# Altium PCB Copy of Плата верхняя версия 7.2.PcbDoc (part 1 of 2)
Units mm, origin at the board's own origin, x right, y up, seen from the top; angles counter-clockwise.
Board outline 53 x 45 mm, 4 copper layers (Top Layer, Layer 1, Layer 2, Bottom Layer), stack 1.781 mm thick; 108 components, 170 nets, 791 pads, 474 vias.
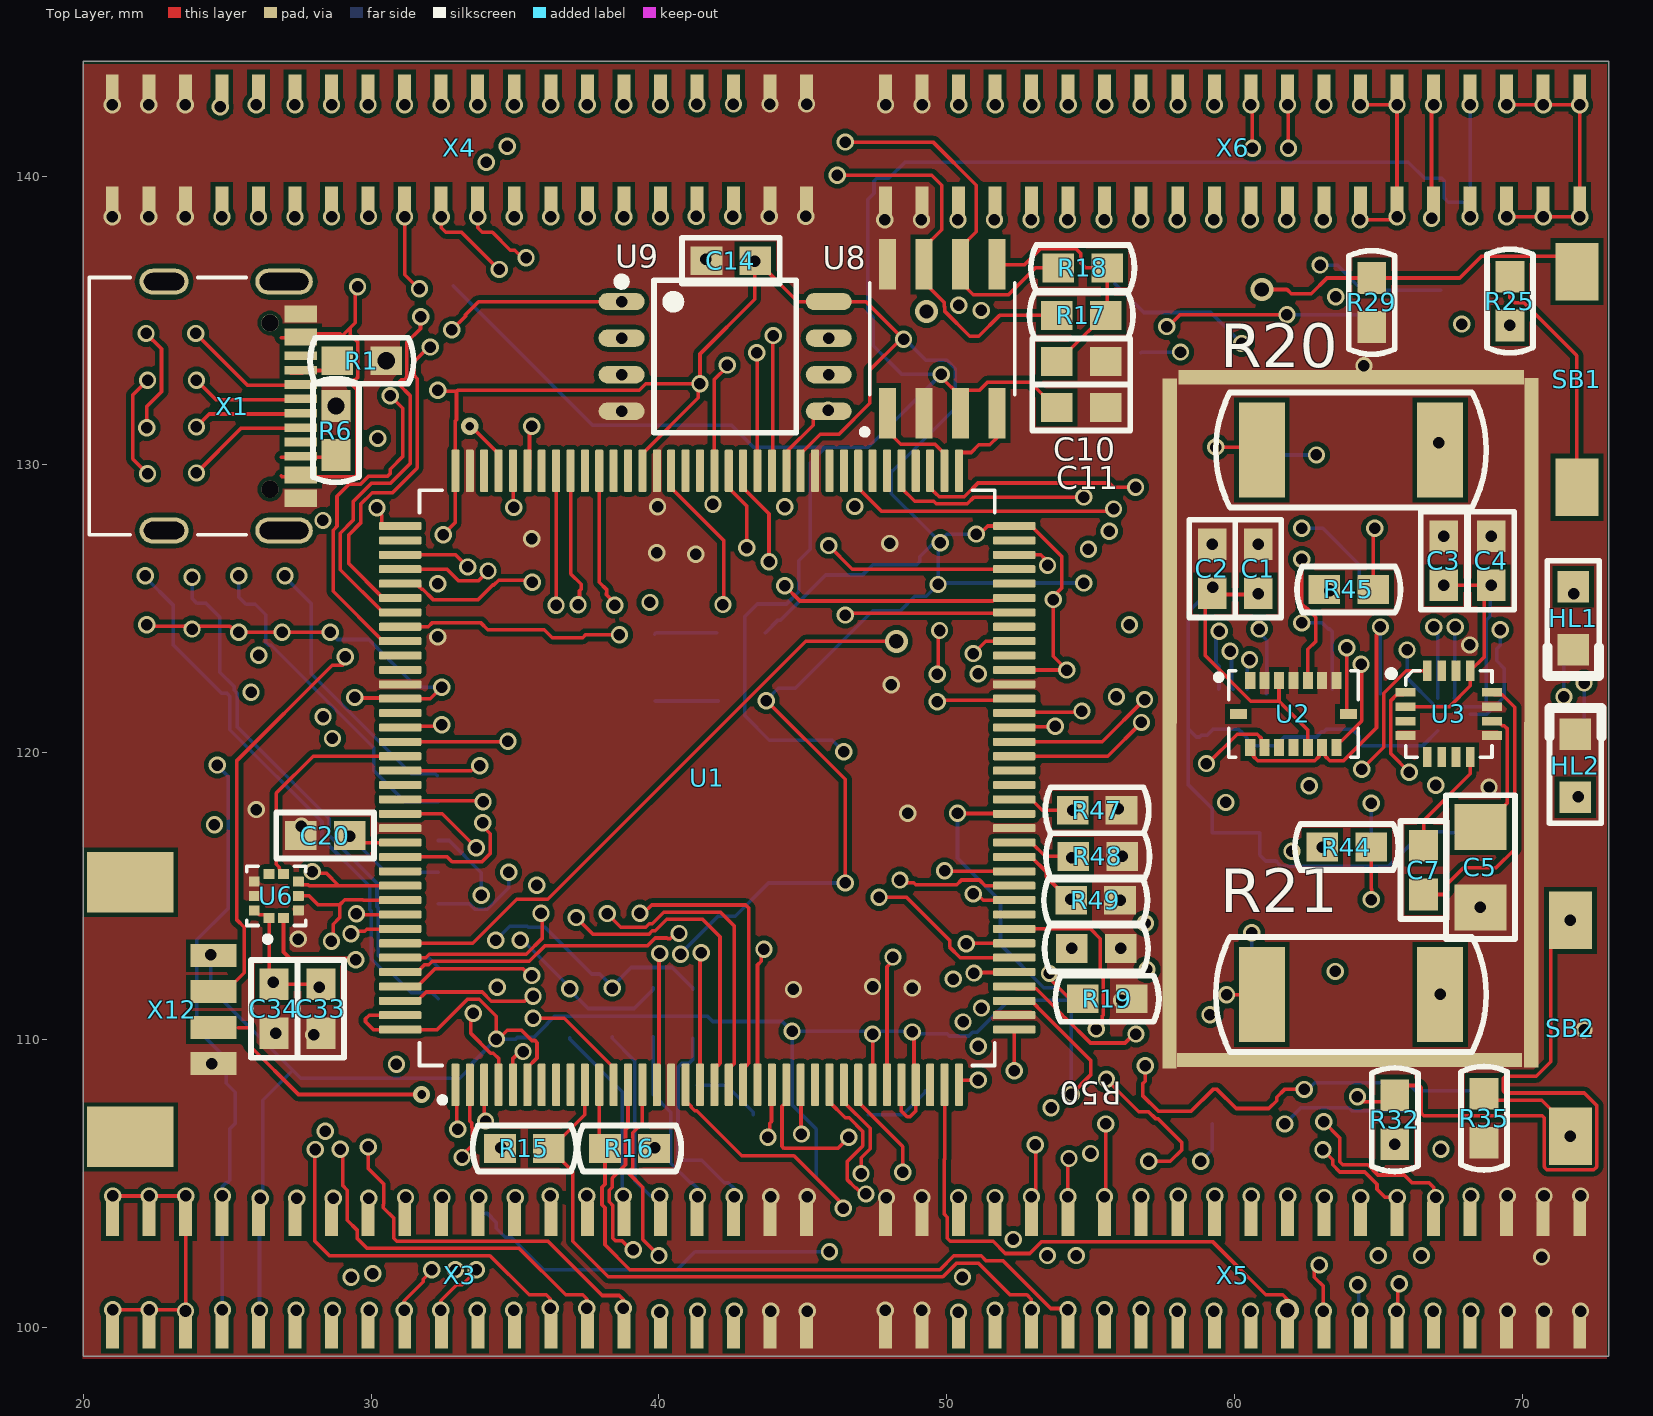
[diagram p0: Top Layer view]
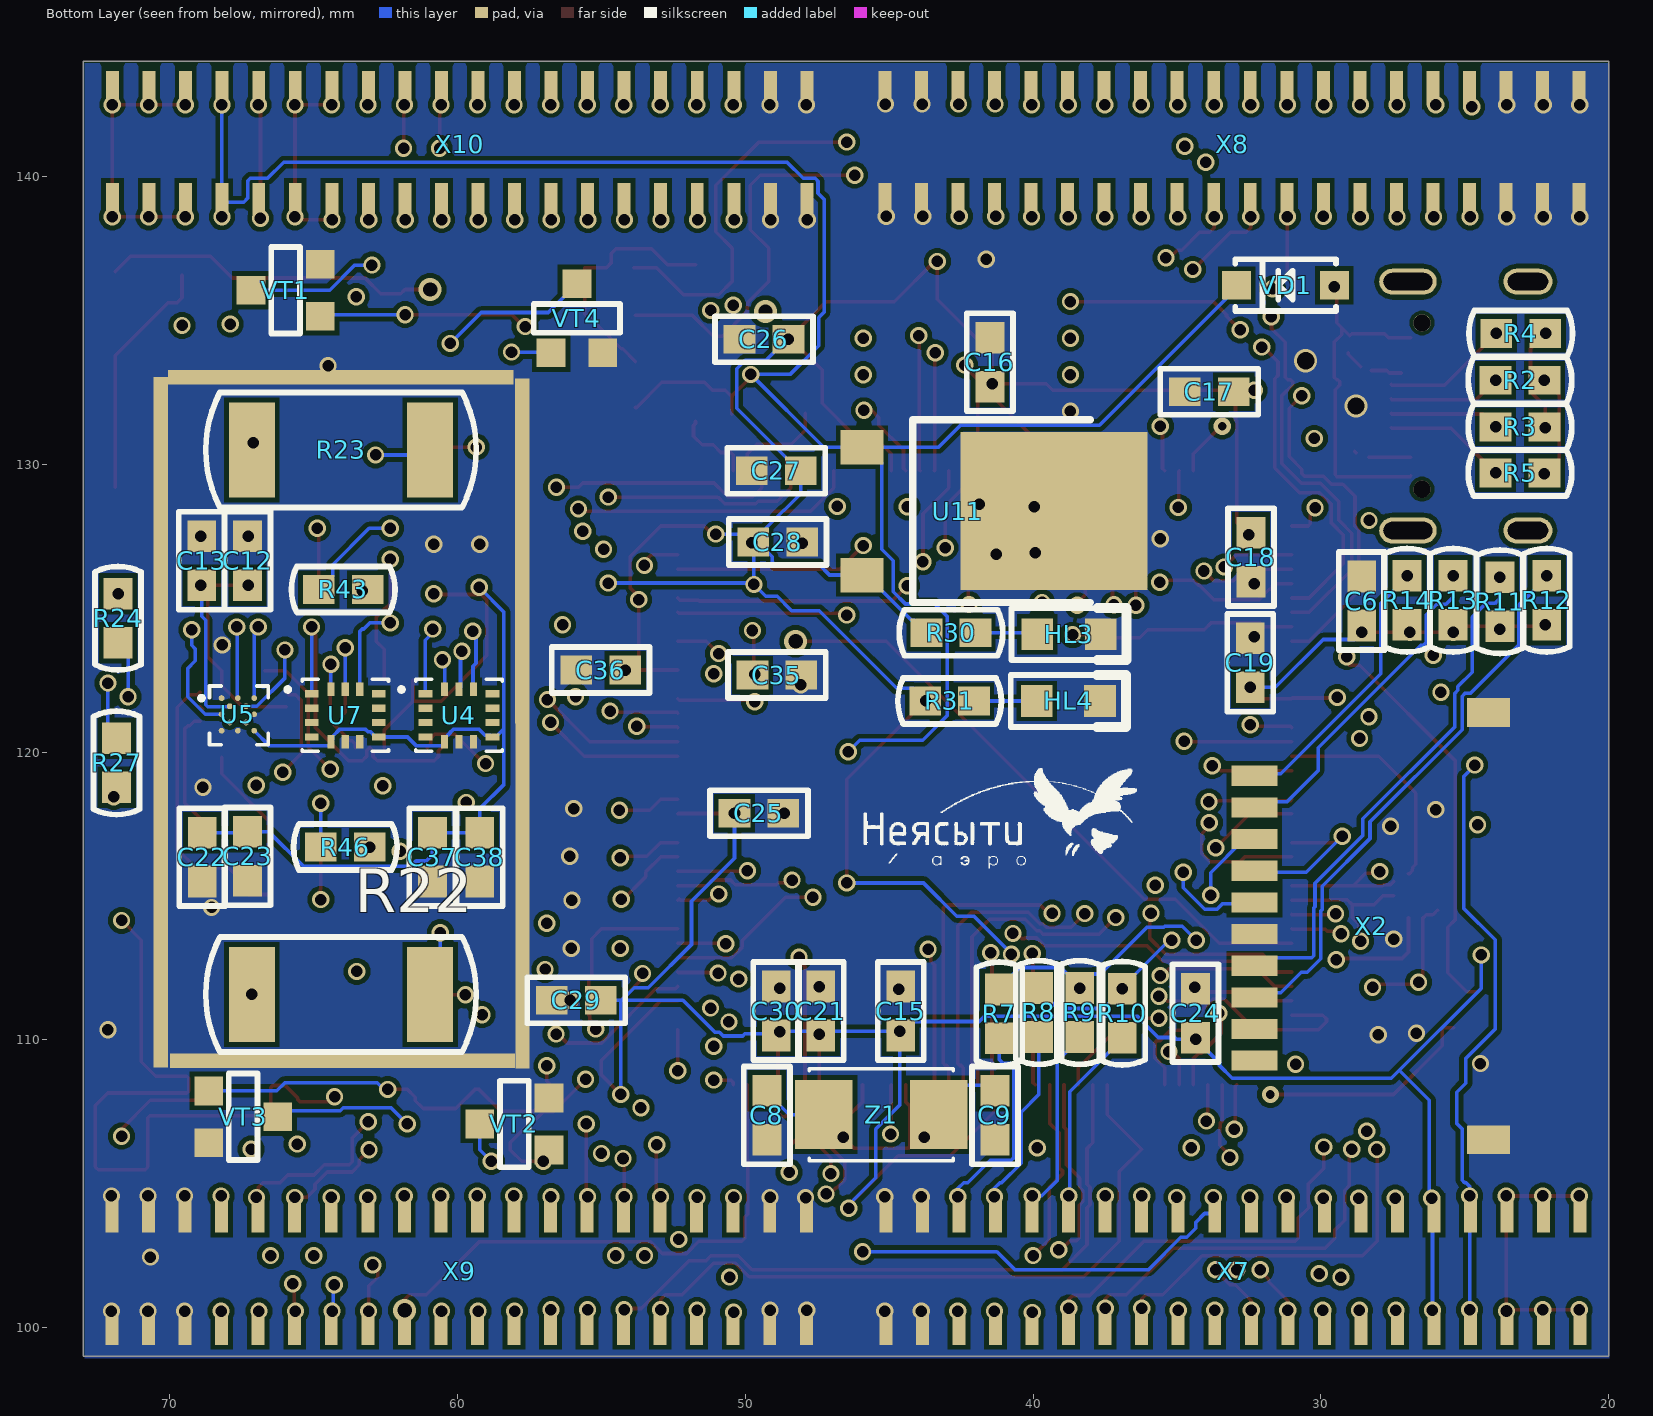
[diagram p1: Bottom Layer view, seen from below]
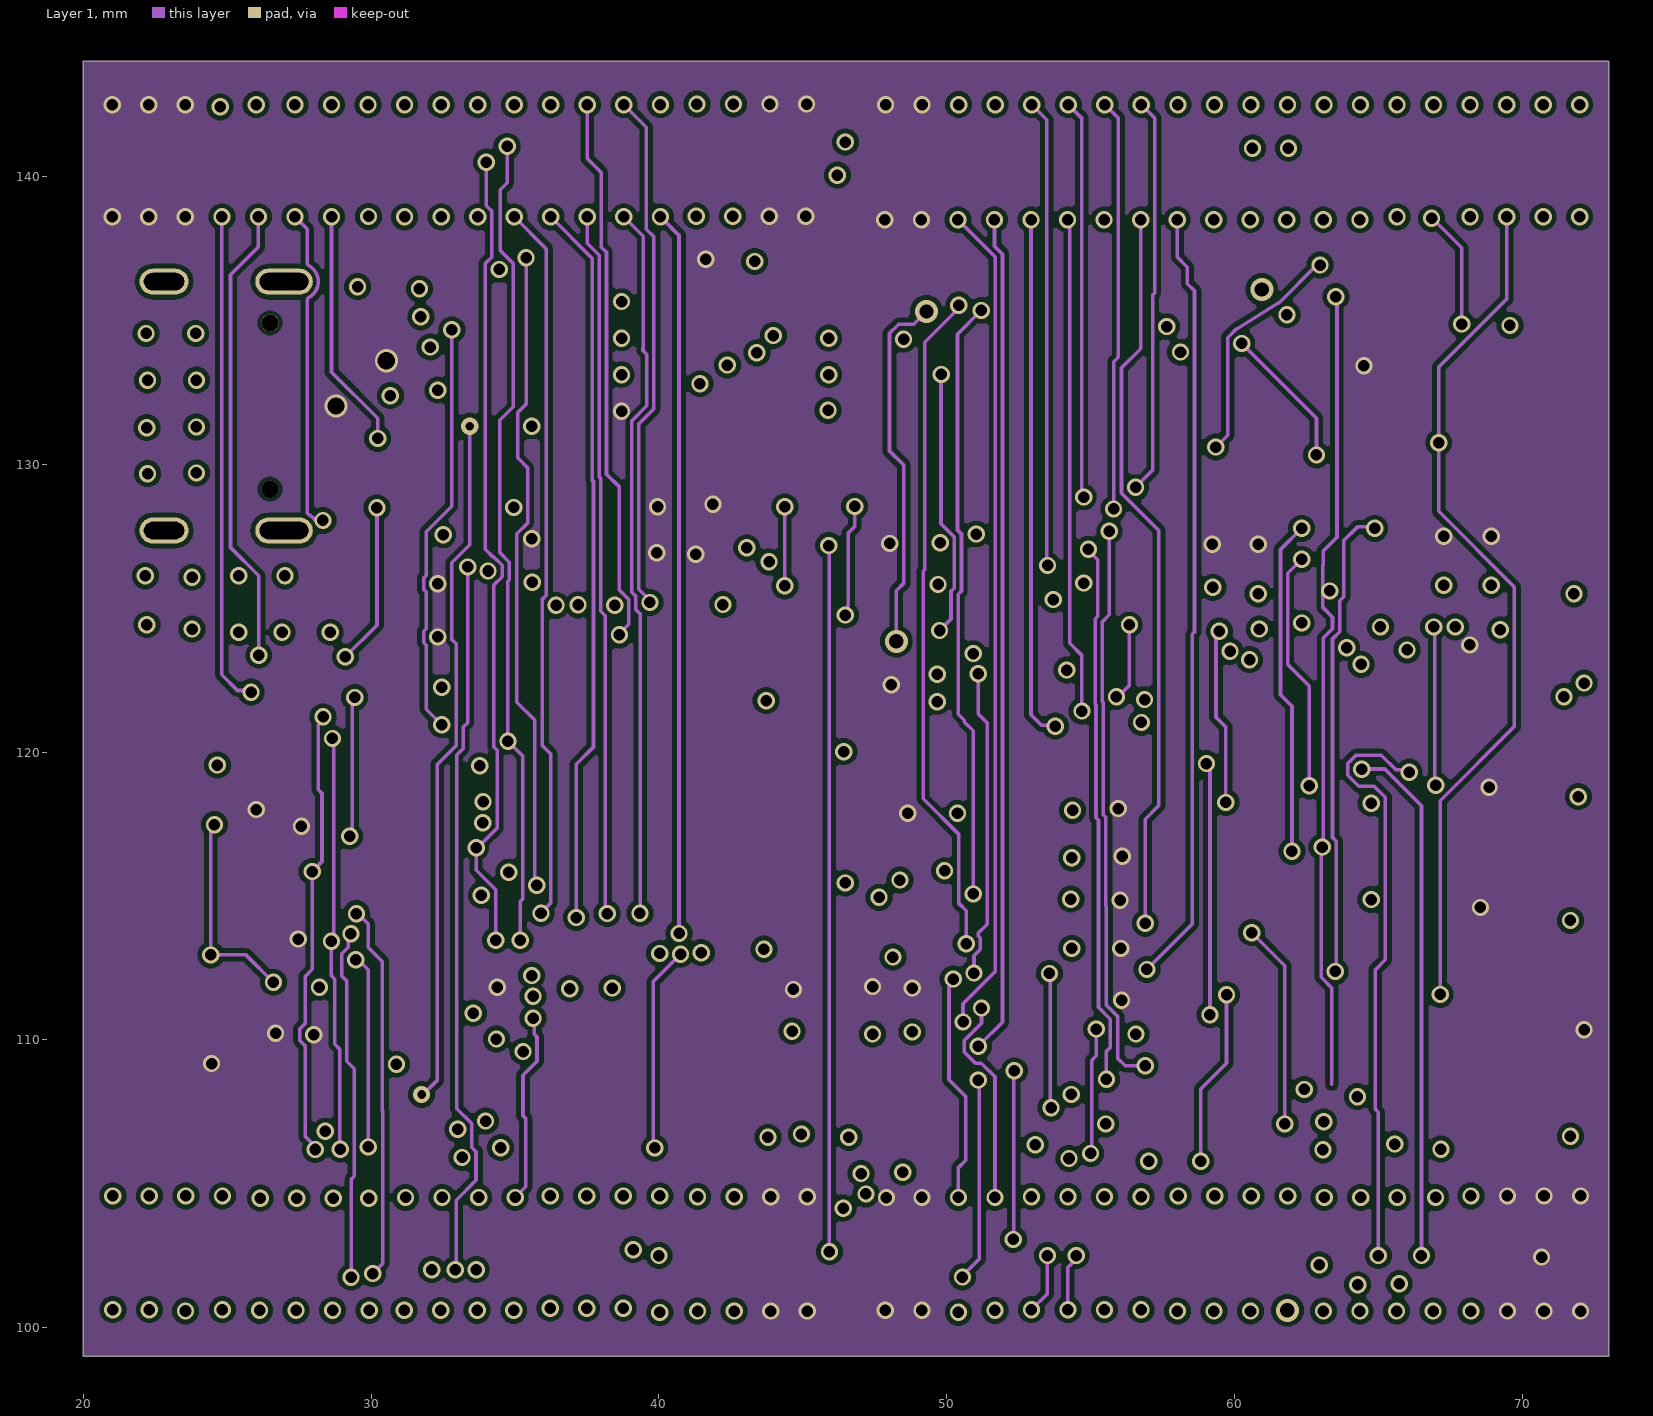
[diagram p2: Layer 1]
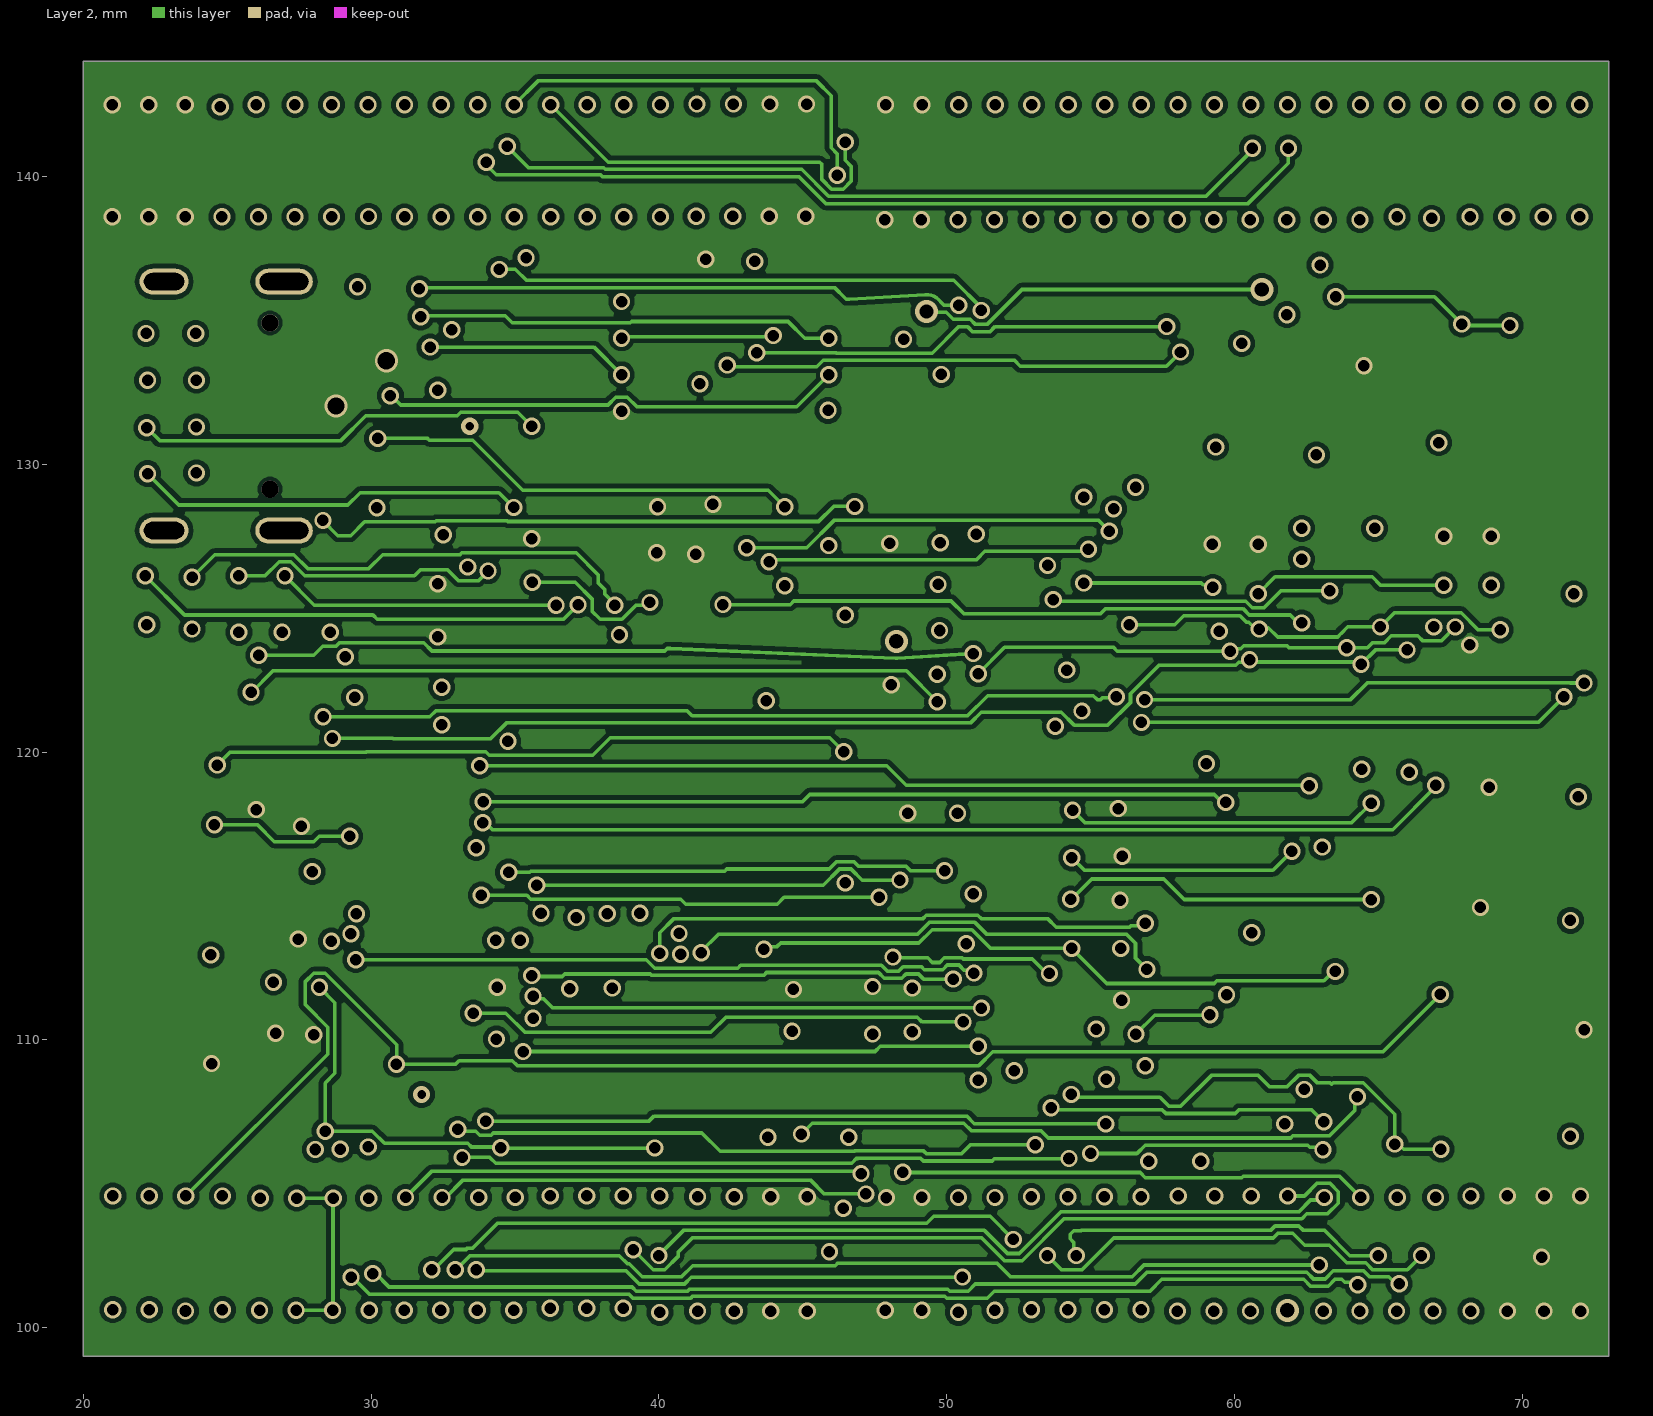
[diagram p3: Layer 2]

## Layer stack, top to bottom
Top Solder: solder mask 0.01, Solder Resist, Dk 3.5
Top Layer: signal copper 0.035
Dielectric 2: prepreg 0.0711, PP-006, Dk 4.1
Layer 1: signal copper 0.035
Dielectric 1: core 1.499, Core-043, Dk 4.3
Layer 2: signal copper 0.035
Dielectric 3: prepreg 0.0711, PP-006, Dk 4.1
Bottom Layer: signal copper 0.035
Bottom Solder: solder mask 0.01, Solder Resist, Dk 3.5

## Board outline
20,99 20,144 73,144 73,99

## Design rules (kind name [scope] priority, off if disabled: settings)
Clearance [All] p1: gap=0.125 ignorepadtopadclearanceinfootprint=TRUE except(0.1: Arc-SMDPad Track-SMDPad SMDPad-SMDPad; 0.16: Arc-Poly Track-Poly SMDPad-Poly THPad-Poly Via-Poly Fill-Poly Poly-Poly)
ComponentClearance [All] p1: gap=0 collisioncheckmode=3 verticalgap=0 showdistances=FALSE
PolygonConnect [All] p1: connectstyle=Direct reliefconductorwidth=0.254 reliefentries=4 polygonreliefangle="90 Angle" airgapwidth=0.254
RoutingVias [All] p1: holewidth=0.4 width=0.6 viastyle="Through Hole" minholewidth=0.4 minwidth=0.6 maxholewidth=0.4 maxwidth=0.6
SilkToSilkClearance [All] p1: silktosilkclearance=0
SolderMaskExpansion [All] p1: expansion=0.102 istentingtop=FALSE
Width [All] p1: maxlimit=0.15 minlimit=0.125 preferedwidth=0.125 midlayer1_maxwidth=0.125 bottomlayer_maxwidth=0.125 minimp=50.000000 maximp=50.000000 favimp=50.000000
28 further rules are at their usual default settings.

## Components (designator, comment, footprint, x,y, rotation, side; value= is the part's Value field where it differs from the comment)
C1 "100nF" C0603 60.825,126.375 r90 top
C2 "100nF" C0603 59.225,126.375 r90 top
C3 "100nF" C0603 67.275,126.65 r90 top
C4 "100nF" C0603 68.925,126.65 r90 top
C5 "4u7F" C1206 68.55,116 r90 top
C6 "100nF" C0603 28.575,125.25 r90 bottom
C7 "200nF" C0603 66.575,115.9 r90 top
C8 "18pF" C0603 49.25,107.375 r90 bottom
C9 "18pF" C0603 41.325,107.375 r90 bottom
C10 "47nF" C0603 54.675,133.575 r180 top
C11 "100nF" C0603 54.675,131.975 r0 top
C12 "100nF" C0603 67.3,126.65 r90 bottom
C13 "100nF" C0603 68.893,126.648 r90 bottom
C14 "100nF" C0603 42.5,137.075 r0 top
C15 "100nF" C0603 44.6,111 r270 bottom
C16 "100nF" C0603 41.5,133.55 r270 bottom
C17 "100nF" C0603 33.875,132.525 r180 bottom
C18 "100nF" C0603 32.425,126.775 r90 bottom
C19 "100nf" C0603 32.45,123.1 r270 bottom
C20 "100nF" C0603 28.4,117.1 r0 top
C21 "100nF" C0603 47.375,111 r90 bottom
C22 "100nF" C0603 68.875,116.35 r270 bottom
C23 "100nF" C0603 67.3,116.375 r270 bottom
C24 "100nF" C0603 34.35,110.925 r90 bottom
C25 "100nF" C0603 49.525,117.875 r180 bottom
C26 "100nF" C0603 49.35,134.35 r0 bottom
C27 "100nF" C0603 48.925,129.775 r0 bottom
C28 "100nF" C0603 48.875,127.3 r180 bottom
C29 "100nF" C0603 55.875,111.375 r0 bottom
C30 "100nF" C0603 48.925,111 r90 bottom
C33 "100nF" C0603 28.25,111.075 r270 top
C34 "C1_POSTOYANNYJ" C0603 26.625,111.075 r270 top
C35 "1uF" C0603 48.9,122.675 r0 bottom
C36 "1uF" C0603 55.025,122.85 r180 bottom
C37 "C1_POSTOYANNYJ" C0603 60.875,116.35 r270 bottom
C38 "100nF" C0603 59.225,116.35 r270 bottom
HL1 "t" LD0805 71.775,124.65 r270 top
HL2 "t" LD0805 71.85,119.525 r90 top
HL3 "t" LD0805 38.75,124.1 r180 bottom
HL4 "t" LD0805 38.775,121.775 r180 bottom
R1 "5K1" R0603 29.675,133.6 r0 top
R2 "100" R0603 23.075,132.925 r180 bottom
R3 "100" R0603 23.075,131.3 r180 bottom
R4 "100" R0603 23.05,134.55 r180 bottom
R5 "100" R0603 23.075,129.7 r180 bottom
R6 "5K1" R0603 28.775,131.175 r90 top
R7 "0" R0603 41.175,110.9 r270 bottom
R8 "0" R0603 39.8,110.95 r90 bottom
R9 "0" R0603 38.375,110.95 r90 bottom
R10 "0" R0603 36.9,110.925 r90 bottom
R11 "100K" R0603 23.775,125.225 r90 bottom
R12 "100K" R0603 22.15,125.275 r90 bottom
R13 "100K" R0603 25.4,125.275 r90 bottom
R14 "100K" R0603 27,125.275 r270 bottom
R15 "10K" R0603 35.325,106.225 r0 top
R16 "10K" R0603 38.975,106.225 r180 top
R17 "60" R0603 54.675,135.175 r0 top
R18 "60" R0603 54.725,136.825 r180 top
R19 "0" R0603 55.575,111.425 r180 top
R20 "0020ab 1K8 2512" R2512 64.05,130.5 r180 top
R21 "0020ab 1K8 2512" R2512 64.05,111.575 r180 top
R22 "0020ab 1K8 2512" R2512 64.05,111.575 r180 bottom
R23 "0020ab 1K8 2512" R2512 64.05,130.5 r180 bottom
R24 "100" R0603 71.8,124.65 r90 bottom
R25 "10K" R0603 69.575,135.675 r270 top
R27 "100" R0603 71.85,119.625 r270 bottom
R29 "0" R0603 64.775,135.625 r90 top
R30 "100" R0603 42.85,124.15 r180 bottom
R31 "100" R0603 42.9,121.775 r180 bottom
R32 "10K" R0603 65.575,107.225 r270 top
R35 "0" R0603 68.675,107.275 r90 top
R43 "10K" R0603 63.975,125.65 r180 bottom
R44 "10K" R0603 63.9,116.7 r180 top
R45 "10K" R0603 63.975,125.65 r180 top
R46 "10K" R0603 63.9,116.7 r180 bottom
R47 "NCP15XH103F03RC" R0603 55.225,117.975 r0 top
R48 "NCP15XH103F03RC" R0603 55.25,116.375 r0 top
R49 "NCP15XH103F03RC" R0603 55.175,114.85 r0 top
R50 "NCP15XH103F03RC" R0603 55.2,113.175 r0 top
SB1 "Text" DTSM-32 71.9,132.95 r0 top
SB2 "Text" DTSM-32 71.675,110.4 r0 top
U1 "K1921BK01T2" QFP50P2200X2200X160-144N 41.675,119.105 r90 top locked
U2 "BMI088" PQFN50P450X300X100-16N 62.05,121.325 r0 top
U3 "QMC5883L" PLCC16-0.5-3X3MM 65.95,119.825 r0 top
U4 "QMI8658" XDCR_BMI270 59.95,121.275 r180 bottom
U5 "BMM150" XDCR_BMM150 67.6,121.275 r180 bottom
U6 "BMP388" PQFN50P200X200X80-10N 26.7,115 r90 top
U7 "BMI270" XDCR_BMI270 63.9,121.275 r180 bottom
U8 "К5559ИН14А" SOIC127P600X175-8N 49.845,134.365 r90 top
U9 "W25Q128FVSIG" SOIC127P790X216-8N 42.3,133.75 r0 top
U11 "КФ1158Н" SOT-428 41.18,128.375 r270 bottom
VD1 "Schottky" SOD-123 31.225,136.225 r0 bottom
VT1 "КТ234В9" SOT-23 65.975,136.05 r90 bottom
VT2 "КТ234В9" SOT-23 58.025,107.075 r90 bottom
VT3 "КТ234В9" SOT-23 67.45,107.325 r270 bottom
VT4 "КТ234В9" SOT-23 55.85,135.075 r180 bottom
X1 "TYPE-C-31-M-12" HRO_TYPE-C-31-M-12 22.8,132.025 r270 top
X2 "microSD" MICROSD 32.201,113.631 r0 top
X3 "Header 2x20" PBD1.27-40SA 33.999,101.82 r90 top
X4 "Header 2x20" PBD1.27-40SA 33.994,140.995 r90 top
X5 "Header 2x20" PBD1.27-40SA 60.864,101.82 r90 top
X6 "Header 2x20" PBD1.27-40SA 60.864,140.995 r90 top
X7 "Header 2x20" "Headr 2x20 female" 31.947,101.82 r90 bottom
X8 "Header 2x20" "Headr 2x20 female" 31.982,140.995 r90 bottom
X9 "Header 2x20" "Headr 2x20 female" 58.842,101.82 r90 bottom
X10 "Header 2x20" "Headr 2x20 female" 58.822,140.995 r90 bottom
X12 "Header 1x4" "PicoBlade 4pin" 23,111.085 r270 top
Z1 "KSE-7I08000MAF343ZA3" XTAL_NX5032GA-8.000M-STD-CSU-1 45.275,107.4 r0 bottom

## Footprints (in the part's own frame and the unit in brackets; to place one, negate y for a bottom-side part, rotate by r counter-clockwise, add the part's x,y. Pads: shape width x height; smd on the part's side, far side on the other; paste and mask are expansions set on the pad)
C0603 [mm] "1608M"
  rect 1.1x1 smd: 1(-0.85,0) 2(0.85,0)
  silkscreen extent -1.7,-0.8 1.7,0.8, body extent -0.8,-0.4 0.8,0.4, height 0.91
C1206 [mm] "3216M"
  rect 1.6x1.8 smd: 1(-1.4,0) 2(1.4,0)
  silkscreen extent -2.5,-1.2 2.5,1.2, body extent -1.6,-0.8 1.6,0.8, height 1.01
DTSM-32 [mm] "1 contact, Surface, 0.05A, 250V, H=5mm"
  rect 1.5x2 smd: 1(0,3.75) 2(0,-3.75)
  body extent -0.23,-4.25 5.27,3.75, height 3.5
"Headr 2x20 female" [mm]
  rect 1.2x0.45 smd: 1(-1.82,-10.962) 2(2.08,-10.962) 3(-1.82,-9.692) 4(2.08,-9.692) 5(-1.82,-8.422) 6(2.08,-8.422) 7(-1.82,-7.152) 8(2.08,-7.152) 9(-1.82,-5.882) 10(2.08,-5.882) 11(-1.82,-4.612) 12(2.08,-4.612) 13(-1.82,-3.342) 14(2.08,-3.342) 15(-1.82,-2.072) 16(2.08,-2.072) 17(-1.82,-0.802) 18(2.08,-0.802) 19(-1.82,0.468) 20(2.08,0.468) 21(-1.82,1.738) 22(2.08,1.738) 23(-1.82,3.008) 24(2.08,3.008) 25(-1.82,4.278) 26(2.08,4.278) 27(-1.82,5.548) 28(2.08,5.548) 29(-1.82,6.818) 30(2.08,6.818) 31(-1.82,8.088) 32(2.08,8.088) 33(-1.82,9.358) 34(2.08,9.358) 35(-1.82,10.628) 36(2.08,10.628) 37(-1.82,11.898) 38(2.08,11.898) 39(-1.82,13.168) 40(2.08,13.168)
HRO_TYPE-C-31-M-12 [mm]
  rect 0.6x1.14 smd mask+0.05: A1_B12(-3.2,4.75) A4_B9(-2.4,4.75) B1_A12(3.2,4.75) B4_A9(2.4,4.75)
  rect 0.3x1.14 smd mask+0.05: A5(-1.25,4.75) A6(-0.25,4.75) A7(0.25,4.75) A8(1.25,4.75) B5(1.75,4.75) B6(0.75,4.75) B7(-0.75,4.75) B8(-1.75,4.75)
  oval 0.9x2 hole 0.6 slot 1.7 at 90 deg: S1(-4.325,4.17) S2(4.325,4.17)
  oval 0.9x1.7 hole 0.6 slot 1.4 at 90 deg: S3(-4.325,0) S4(4.325,0)
  round 0.6 hole 0.6 unplated: ""(-2.89,3.68) ""(2.89,3.68)
  silkscreen extent -4.47,-2.6 4.47,2.85, body extent -4.47,-2.6 4.47,5.31, height 3.31
LD0805 [mm]
  rect 1.1x1.1 smd: 1(-1.1,0) 2(1.1,0)
  silkscreen extent -2,-0.9 2,0.9, body extent -1,-0.62 1,0.63, height 0.73
MICROSD [mm]
  rect 1.6x0.7 smd far side: 1(0.099,5.544) 2(0.099,4.444) 3(0.099,3.344) 4(0.099,2.244) 5(0.099,1.144) 6(0.099,0.044) 7(0.099,-1.056) 8(0.099,-2.156) 9(0.099,-3.256) CD(0.099,-4.356)
  rect 1.5x1 smd far side: S1(-8.026,7.744) S2(-8.026,-7.106)
PBD1.27-40SA [mm]
  rect 1.2x0.45 smd: 1(-1.947,12.994) 2(1.953,12.994) 3(-1.947,11.724) 4(1.953,11.724) 5(-1.947,10.454) 6(1.953,10.454) 7(-1.947,9.184) 8(1.953,9.184) 9(-1.947,7.914) 10(1.953,7.914) 11(-1.947,6.644) 12(1.953,6.644) 13(-1.947,5.374) 14(1.953,5.374) 15(-1.947,4.104) 16(1.953,4.104) 17(-1.947,2.834) 18(1.953,2.834) 19(-1.947,1.564) 20(1.953,1.564) 21(-1.947,0.294) 22(1.953,0.294) 23(-1.947,-0.976) 24(1.953,-0.976) 25(-1.947,-2.246) 26(1.953,-2.246) 27(-1.947,-3.516) 28(1.953,-3.516) 29(-1.947,-4.786) 30(1.953,-4.786) 31(-1.947,-6.056) 32(1.953,-6.056) 33(-1.947,-7.326) 34(1.953,-7.326) 35(-1.947,-8.596) 36(1.953,-8.596) 37(-1.947,-9.866) 38(1.953,-9.866) 39(-1.947,-11.136) 40(1.953,-11.136)
"PicoBlade 4pin" [mm]
  rect 0.8x1.6 smd: 1(-1.84,1.525) 2(-0.59,1.525) 3(0.66,1.525) 4(1.91,1.525)
  rect 2.1x3 smd: S(-4.39,-1.375) S(4.46,-1.375)
PLCC16-0.5-3X3MM [mm]
  rect 0.7x0.3 smd: 1(0,2.25) 2(0,1.75) 3(0,1.25) 4(0,0.75) 9(3,0.75) 10(3,1.25) 11(3,1.75) 12(3,2.25)
  rect 0.3x0.7 smd: 5(0.75,0) 6(1.25,0) 7(1.75,0) 8(2.25,0) 13(2.25,3) 14(1.75,3) 15(1.25,3) 16(0.75,3)
  silkscreen extent -0.6,0 3,3
PQFN50P200X200X80-10N [mm]
  rrect9% 0.35x0.38 smd: 1(-0.765,0.25) 2(-0.765,-0.25) 3(-0.5,-0.765) 4(0,-0.765) 5(0.5,-0.765) 6(0.765,-0.25) 7(0.765,0.25) 8(0.5,0.765) 9(0,0.765) 10(-0.5,0.765)
  silkscreen extent -1.6,-1.03 1.03,1.03
PQFN50P450X300X100-16N [mm]
  rect 0.35x0.59 smd: 1(-1.5,1.165) 2(-1,1.165) 3(-0.5,1.165) 4(0,1.165) 5(0.5,1.165) 6(1,1.165) 7(1.5,1.165) 9(1.5,-1.165) 10(1,-1.165) 11(0.5,-1.165) 12(0,-1.165) 13(-0.5,-1.165) 14(-1,-1.165) 15(-1.5,-1.165)
  rect 0.59x0.35 smd: 8(1.915,0) 16(-1.915,0)
  silkscreen extent -2.7,-1.5 2.25,1.5
QFP50P2200X2200X160-144N [mm]
  rrect25% 1.47x0.28 smd: 1(-10.67,8.75) 2(-10.67,8.25) 3(-10.67,7.75) 4(-10.67,7.25) 5(-10.67,6.75) 6(-10.67,6.25) 7(-10.67,5.75) 8(-10.67,5.25) 9(-10.67,4.75) 10(-10.67,4.25) 11(-10.67,3.75) 12(-10.67,3.25) 13(-10.67,2.75) 14(-10.67,2.25) 15(-10.67,1.75) 16(-10.67,1.25) 17(-10.67,0.75) 18(-10.67,0.25) 19(-10.67,-0.25) 20(-10.67,-0.75) 21(-10.67,-1.25) 22(-10.67,-1.75) 23(-10.67,-2.25) 24(-10.67,-2.75) 25(-10.67,-3.25) 26(-10.67,-3.75) 27(-10.67,-4.25) 28(-10.67,-4.75) 29(-10.67,-5.25) 30(-10.67,-5.75) 31(-10.67,-6.25) 32(-10.67,-6.75) 33(-10.67,-7.25) 34(-10.67,-7.75) 35(-10.67,-8.25) 36(-10.67,-8.75) 73(10.67,-8.75) 74(10.67,-8.25) 75(10.67,-7.75) 76(10.67,-7.25) 77(10.67,-6.75) 78(10.67,-6.25) 79(10.67,-5.75) 80(10.67,-5.25) 81(10.67,-4.75) 82(10.67,-4.25) 83(10.67,-3.75) 84(10.67,-3.25) 85(10.67,-2.75) 86(10.67,-2.25) 87(10.67,-1.75) 88(10.67,-1.25) 89(10.67,-0.75) 90(10.67,-0.25) 91(10.67,0.25) 92(10.67,0.75) 93(10.67,1.25) 94(10.67,1.75) 95(10.67,2.25) 96(10.67,2.75) 97(10.67,3.25) 98(10.67,3.75) 99(10.67,4.25) 100(10.67,4.75) 101(10.67,5.25) 102(10.67,5.75) 103(10.67,6.25) 104(10.67,6.75) 105(10.67,7.25) 106(10.67,7.75) 107(10.67,8.25) 108(10.67,8.75)